# Allegro board Learn.brd (continued)
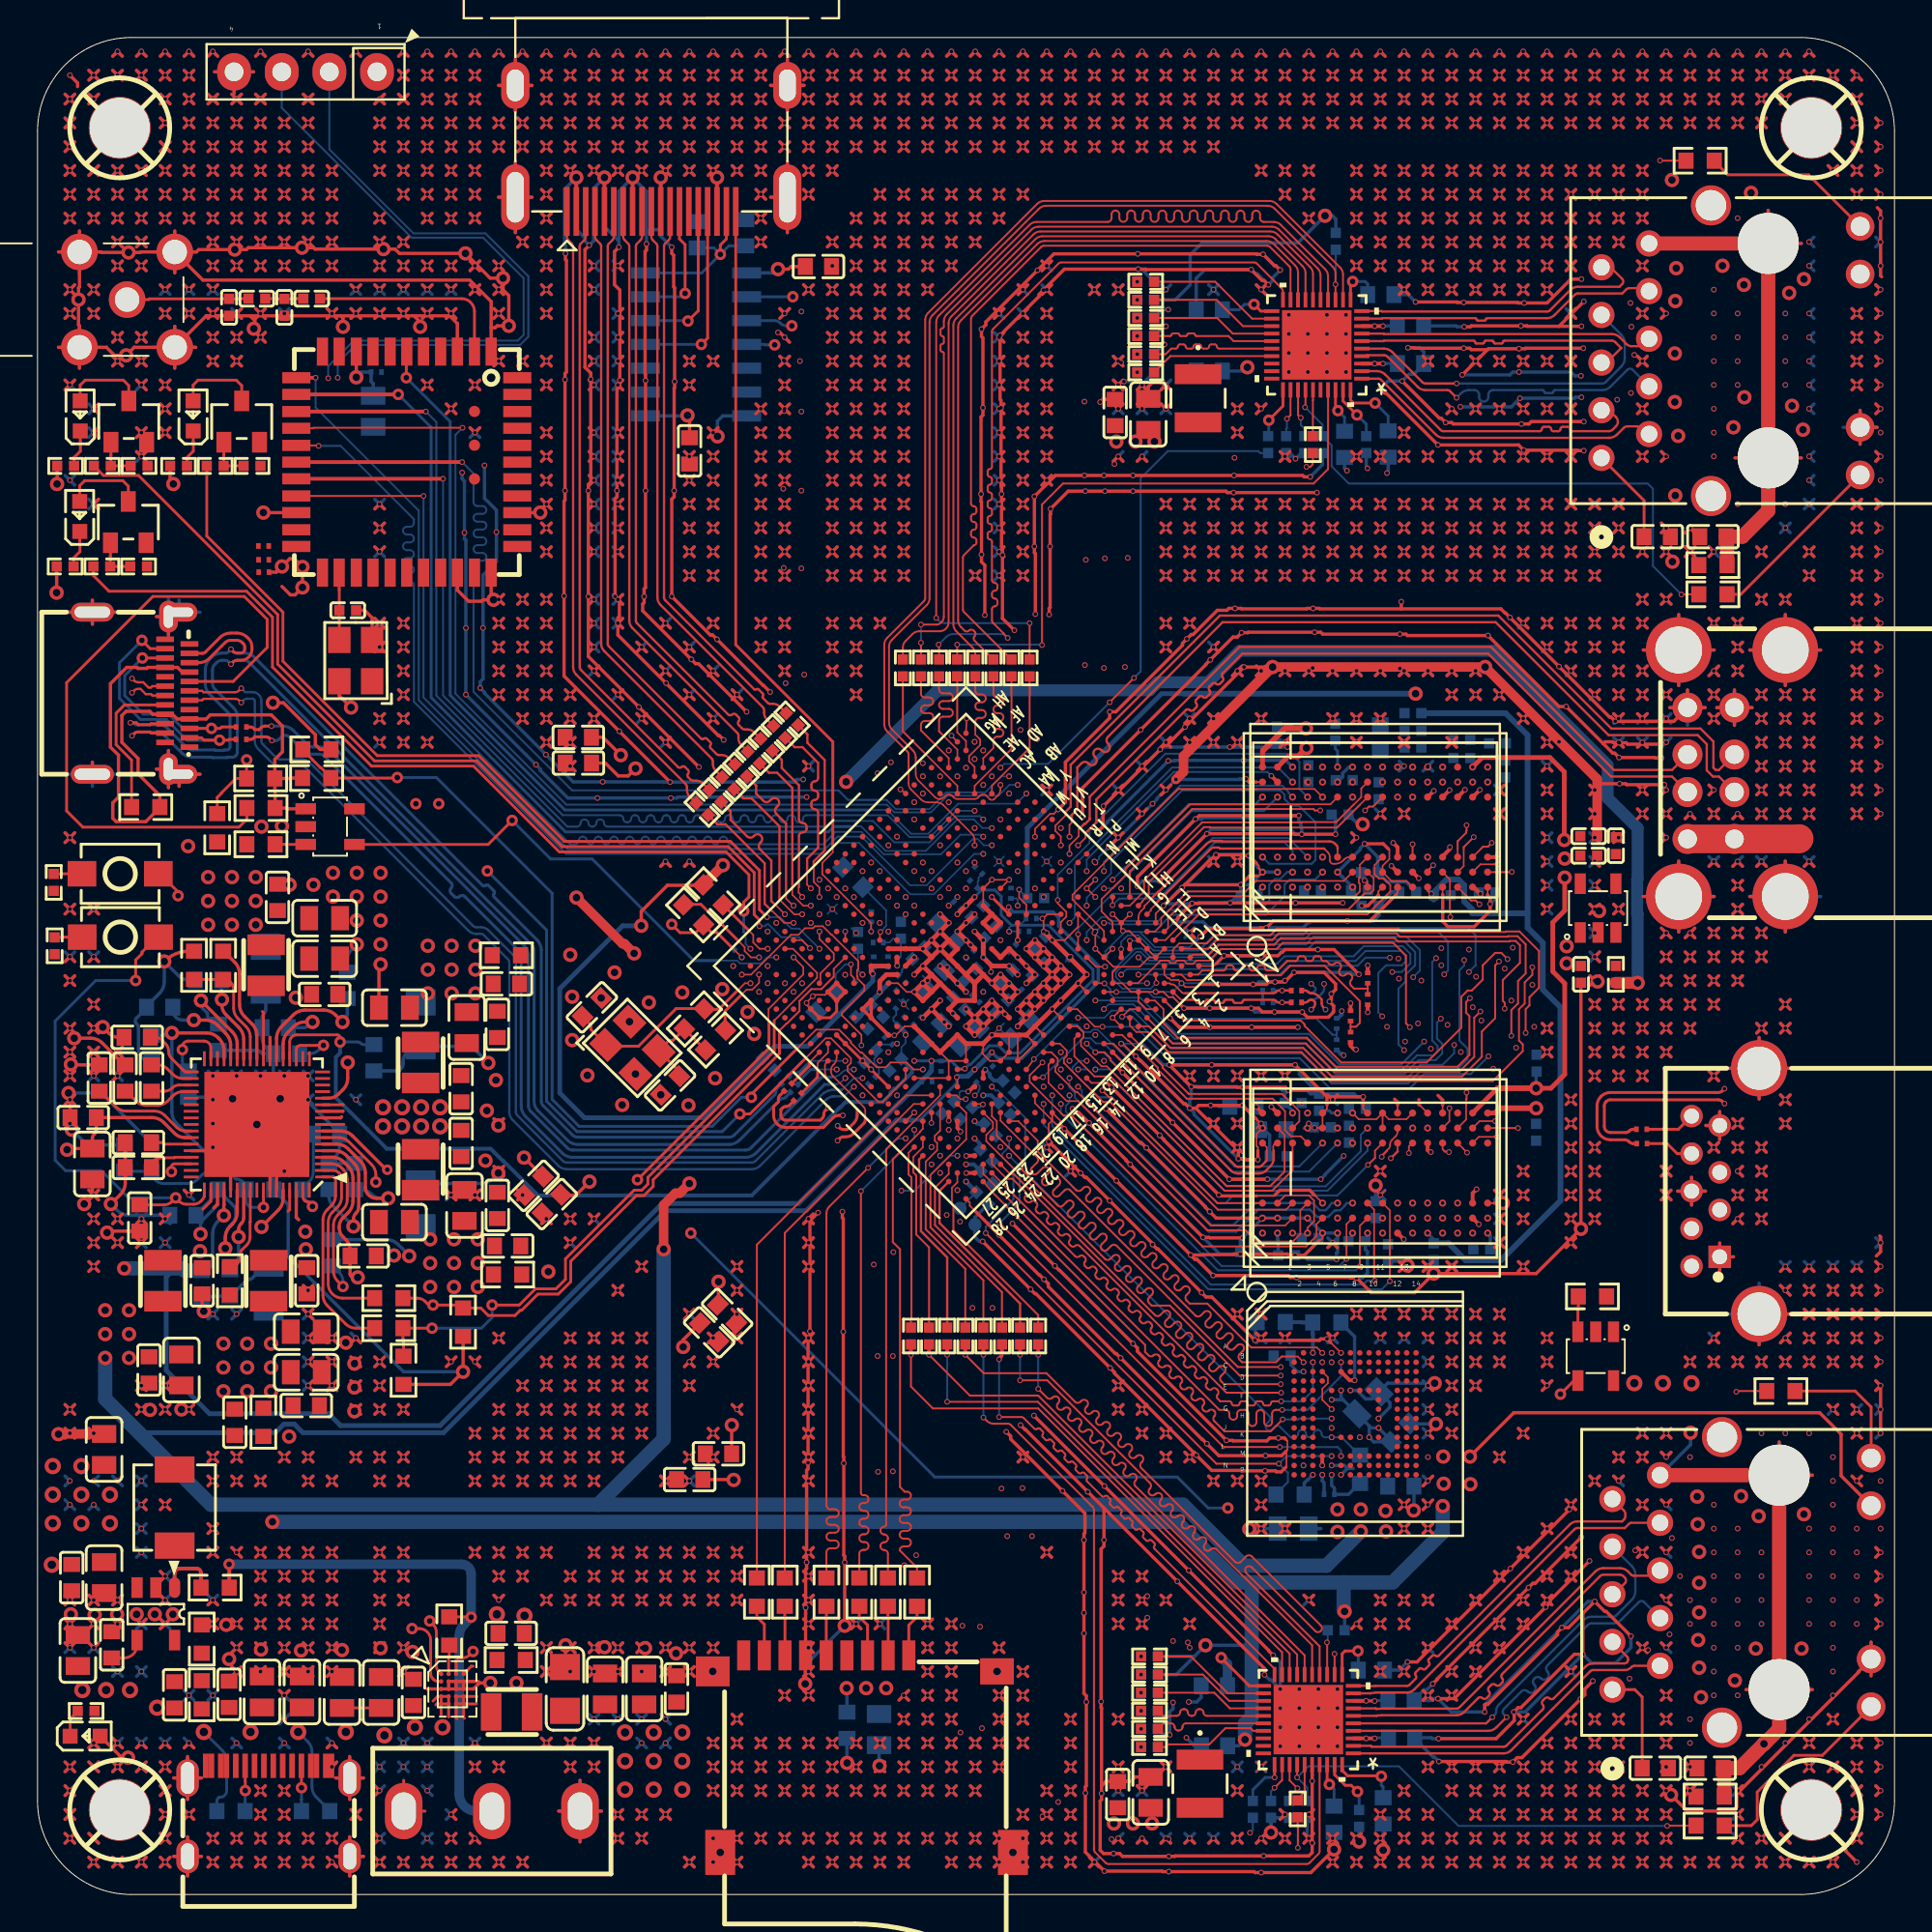
[diagram p0: board, top side]
## Routing (per net, layer and track width the routed paths; a pad name or vN(x,y) marks a point on that pad's centre or on a via; arc(x,y) is an arc through that point) (continued)
96.72,90.37 ; v1(96.97,90.62) 96.72,90.88 ; 19.25,87.83 v1(19.5,88.08) ; v1(19.5,88.08) 19.76,87.83 ; v1(19.5,88.08) 19.25,88.34 ; v1(19.5,88.08) 19.76,88.34 ; 71.32,76.4 v1(71.57,76.65) ; v1(71.57,76.65) 71.83,76.91 ; v1(71.57,76.65) 71.83,76.4 ; v1(71.57,76.65) 71.32,76.91 ; v1(18.23,94.43) 18.49,94.69 ; v1(18.23,94.43) 17.98,94.18 ; v1(18.23,94.43) 18.49,94.18 ; v1(18.23,94.43) 17.98,94.69 ; 34.49,13.41 v1(34.74,13.15) ; v1(34.74,13.15) 35,12.9 ; v1(34.74,13.15) 34.49,12.9 ; v1(34.74,13.15) 35,13.41 ; v1(43.63,94.43) 43.89,94.18 ; v1(43.63,94.43) 43.38,94.69 ; v1(43.63,94.43) 43.38,94.18 ; v1(43.63,94.43) 43.89,94.69 ; v1(67.76,95.7) 68.02,95.45 ; v1(67.76,95.7) 68.02,95.96 ; v1(67.76,95.7) 67.51,95.45 ; v1(67.76,95.7) 67.51,95.96 ; 69.29,42.62 v1(69.03,42.36) 68.78,42.62 ; 19.25,21.79 v1(19.5,22.04) ; v1(19.5,22.04) 19.76,21.79 ; v1(19.5,22.04) 19.76,22.3 ; v1(19.5,22.04) 19.25,22.3 ; v1(2.99,90.62) 3.25,90.88 ; v1(2.99,90.62) 2.74,90.88 ; v1(2.99,90.62) 3.25,90.37 ; v1(2.99,90.62) 2.74,90.37 ; 58.62,57.35 v1(58.87,57.6) ; v1(58.87,57.6) 58.62,57.86 ; v1(58.87,57.6) 59.13,57.86 ; 97.99,66.24 v1(98.24,66.49) 97.99,66.75 ; v1(42.9,36.4) 42.9,36.07 42.95,36.02 v1(42.95,30) 42.95,23.34 42.98,23.32 v1(42.98,22.99) 42.98,18.08 43.03,18.03 v1(43.03,17.7) v3(43.03,14.33) ; 82.75,88.34 v1(83,88.08) ; v1(83,88.08) 83.26,88.34 ; v1(83,88.08) 83.26,87.83 ; v1(83,88.08) 82.75,87.83 ; 54.81,8.33 v1(55.06,8.07) ; v1(55.06,8.07) 54.81,7.82 ; v1(55.06,8.07) 55.32,7.82 ; v1(55.06,8.07) 55.32,8.33 ; 37.03,97.99 v1(37.28,98.24) 37.54,97.99 ; 30.68,2.74 v1(30.93,2.99) ; v1(30.93,2.99) 31.19,2.74 ; v1(30.93,2.99) 30.68,3.25 ; v1(30.93,2.99) 31.19,3.25 ; 9.09,14.68 v1(9.34,14.42) ; v1(9.34,14.42) 9.6,14.17 ; v1(9.34,14.42) 9.09,14.17 ; v1(9.34,14.42) 9.6,14.68 ; 97.99,16.71 v1(98.24,16.96) 97.99,17.22 ; v1(32.2,28.39) 32.46,28.14 ; v1(32.2,28.39) 31.95,28.65 ; v1(32.2,28.39) 31.95,28.14 ; v1(32.2,28.39) 32.46,28.65 ; 19.25,90.88 v1(19.5,90.62) ; v1(19.5,90.62) 19.76,90.37 ; v1(19.5,90.62) 19.25,90.37 ; v1(19.5,90.62) 19.76,90.88 ; 1.47,14.17 v1(1.72,14.42) ; v1(1.72,14.42) 1.47,14.68 ; v1(1.72,14.42) 1.98,14.17 ; v1(1.72,14.42) 1.98,14.68 ; v1(85.54,5.53) 85.8,5.28 ; v1(85.54,5.53) 85.8,5.79 ; v1(85.54,5.53) 85.29,5.28 ; v1(85.54,5.53) 85.29,5.79 ; v1(5.53,90.62) 5.79,90.88 ; v1(5.53,90.62) 5.28,90.88 ; v1(5.53,90.62) 5.28,90.37 ; v1(5.53,90.62) 5.79,90.37 ; 97.99,94.18 v1(98.24,94.43) 97.99,94.69 ; v1(27.12,23.31) 27.38,23.57 ; v1(27.12,23.31) 26.87,23.06 ; v1(27.12,23.31) 27.38,23.06 ; v1(27.12,23.31) 26.87,23.57 ; 84.02,4.01 v1(84.27,4.26) ; v1(84.27,4.26) 84.53,4.52 ; v1(84.27,4.26) 84.02,4.52 ; v1(84.27,4.26) 84.53,4.01 ; 40.84,14.17 v1(41.09,14.42) ; v1(41.09,14.42) 41.35,14.17 ; v1(41.09,14.42) 40.84,14.68 ; v1(41.09,14.42) 41.35,14.68 ; v1(96.97,81.73) 97.23,81.48 ; v1(96.97,81.73) 97.23,81.99 ; v1(96.97,81.73) 96.72,81.99 ; v1(96.97,81.73) 96.72,81.48 ; U3.B4 23.48,11.36 23.56,11.28 ; 84.02,89.1 v1(84.27,89.35) ; v1(84.27,89.35) 84.53,89.1 ; v1(84.27,89.35) 84.53,89.61 ; v1(84.27,89.35) 84.02,89.61 ; 44.65,1.47 v1(44.9,1.72) ; v1(44.9,1.72) 44.65,1.98 ; v1(44.9,1.72) 45.16,1.47 ; v1(44.9,1.72) 45.16,1.98 ; 71.32,87.83 v1(71.57,88.08) ; v1(71.57,88.08) 71.83,88.34 ; v1(71.57,88.08) 71.83,87.83 ; v1(71.57,88.08) 71.32,88.34 ; 57.35,16.71 v1(57.6,16.96) ; v1(57.6,16.96) 57.35,17.22 ; v1(57.6,16.96) 57.86,17.22 ; v1(57.6,16.96) 57.86,16.71 ; 34.49,16.71 v1(34.74,16.96) ; v1(34.74,16.96) 35,17.22 ; v1(34.74,16.96) 35,16.71 ; v1(34.74,16.96) 34.49,17.22 ; v1(80.46,89.35) 80.72,89.1 ; v1(80.46,89.35) 80.21,89.61 ; v1(80.46,89.35) 80.21,89.1 ; v1(80.46,89.35) 80.72,89.61 ; v1(27.12,28.39) 27.38,28.14 ; v1(27.12,28.39) 27.38,28.65 ; v1(27.12,28.39) 26.87,28.14 ; v1(27.12,28.39) 26.87,28.65 ; v1(76.65,28.39) 76.91,28.65 ; v1(76.65,28.39) 76.91,28.14 ; v1(76.65,28.39) 76.4,28.14 ; v1(76.65,28.39) 76.4,28.65 ; 96.72,71.32 v1(96.97,71.57) ; v1(96.97,71.57) 97.23,71.32 ; v1(96.97,71.57) 97.23,71.83 ; v1(96.97,71.57) 96.72,71.83 ; 72.59,85.8 v1(72.84,85.54) ; v1(72.84,85.54) 73.1,85.8 ; v1(72.84,85.54) 72.59,85.29 ; v1(72.84,85.54) 73.1,85.29 ; 72.59,95.45 v1(72.84,95.7) ; v1(72.84,95.7) 72.59,95.96 ; v1(72.84,95.7) 73.1,95.96 ; v1(72.84,95.7) 73.1,95.45 ; 70.05,95.96 v1(70.3,95.7) ; v1(70.3,95.7) 70.56,95.45 ; v1(70.3,95.7) 70.05,95.45 ; v1(70.3,95.7) 70.56,95.96 ; 87.83,94.18 v1(88.08,94.43) ; v1(88.08,94.43) 88.34,94.18 ; v1(88.08,94.43) 87.83,94.69 ; v1(88.08,94.43) 88.34,94.69 ; 14.17,15.95 v1(14.42,15.69) ; v1(14.42,15.69) 14.68,15.95 ; v1(14.42,15.69) 14.17,15.44 ; v1(14.42,15.69) 14.68,15.44 ; v1(30.93,27.12) 31.19,26.87 ; v1(30.93,27.12) 30.68,27.38 ; v1(30.93,27.12) 31.19,27.38 ; v1(30.93,27.12) 30.68,26.87 ; 86.56,18.49 v1(86.81,18.23) 87.07,18.49 ; v1(11.88,94.43) 12.14,94.69 ; v1(11.88,94.43) 11.63,94.69 ; v1(11.88,94.43) 11.63,94.18 ; v1(11.88,94.43) 12.14,94.18 ; 25.6,26.87 v1(25.85,27.12) ; v1(25.85,27.12) 26.11,26.87 ; v1(25.85,27.12) 25.6,27.38 ; v1(25.85,27.12) 26.11,27.38 ; 31.19,69.29 v1(30.93,69.03) 31.19,68.78 ; v1(49.98,5.53) 50.24,5.28 ; v1(49.98,5.53) 49.73,5.79 ; v1(49.98,5.53) 49.73,5.28 ; v1(49.98,5.53) 50.24,5.79 ; 94.18,62.43 v1(94.43,62.68) ; v1(94.43,62.68) 94.18,62.94 ; v1(94.43,62.68) 94.69,62.43 ; v1(94.43,62.68) 94.69,62.94 ; v1(14.42,22.04) 14.68,21.79 ; v1(14.42,22.04) 14.17,21.79 ; v1(14.42,22.04) 14.68,22.3 ; v1(14.42,22.04) 14.17,22.3 ; 1.47,46.43 v1(1.72,46.17) ; v1(1.72,46.17) 1.98,45.92 ; v1(1.72,46.17) 1.47,45.92 ; v1(1.72,46.17) 1.98,46.43 ; 62.43,2.74 v1(62.68,2.99) 62.94,2.74 ; 5.28,86.56 v1(5.53,86.81) ; v1(5.53,86.81) 5.79,86.56 ; v1(5.53,86.81) 5.28,87.07 ; v1(5.53,86.81) 5.79,87.07 ; 75.13,97.99 v1(75.38,98.24) 75.64,97.99 ; v1(76.65,72.84) 76.91,73.1 ; v1(76.65,72.84) 76.91,72.59 ; v1(76.65,72.84) 76.4,73.1 ; v1(76.65,72.84) 76.4,72.59 ; 80.21,55.32 v1(80.46,55.06) 80.21,54.81 ; 53.54,94.18 v1(53.79,94.43) ; v1(53.79,94.43) 54.05,94.69 ; v1(53.79,94.43) 54.05,94.18 ; v1(53.79,94.43) 53.54,94.69 ; v1(94.43,30.93) 94.69,30.68 ; v1(94.43,30.93) 94.18,30.68 ; v1(94.43,30.93) 94.69,31.19 ; v1(94.43,30.93) 94.18,31.19 ; 96.39,2.39 96.39,2.31 v1(96.97,1.72) ; 72.59,19.25 v1(72.84,19.5) ; v1(72.84,19.5) 72.59,19.76 ; v1(72.84,19.5) 73.1,19.76 ; v1(72.84,19.5) 73.1,19.25 ; v1(84.27,9.34) 84.53,9.09 ; v1(84.27,9.34) 84.02,9.09 ; v1(84.27,9.34) 84.53,9.6 ; v1(84.27,9.34) 84.02,9.6 ; v1(6.8,77.92) 7.06,77.67 ; v1(6.8,77.92) 7.06,78.18 ; v1(6.8,77.92) 6.55,77.67 ; v1(6.8,77.92) 6.55,78.18 ; 83.46,61.34 83.97,60.84 84.07,60.84 v1(84.3,60.6) 86.21,60.6 86.24,60.58 v1(86.56,60.58) ; 83.46,61.34 83.57,61.44 83.95,61.44 84,61.39 v1(84.33,61.39) 84.68,61.39 84.76,61.32 v1(86.54,61.32) ; 75.13,87.07 v1(75.38,86.81) ; v1(75.38,86.81) 75.64,86.56 ; v1(75.38,86.81) 75.64,87.07 ; v1(75.38,86.81) 75.13,86.56 ; 80.21,59.89 v1(80.46,60.14) 80.72,59.89 ; v1(42.36,93.16) 42.62,93.42 ; v1(42.36,93.16) 42.62,92.91 ; v1(42.36,93.16) 42.11,92.91 ; v1(42.36,93.16) 42.11,93.42 ; v1(60.14,58.87) 60.4,59.13 ; v1(60.14,58.87) 59.89,58.62 ; v1(60.14,58.87) 59.89,59.13 ; 53.54,78.18 v1(53.79,77.92) ; v1(53.79,77.92) 54.05,77.67 ; v1(53.79,77.92) 53.54,77.67 ; v1(53.79,77.92) 54.05,78.18 ; v1(28.39,94.43) 28.65,94.18 ; v1(28.39,94.43) 28.65,94.69 ; v1(28.39,94.43) 28.14,94.69 ; v1(28.39,94.43) 28.14,94.18 ; v1(70.3,72.84) 70.56,72.59 ; v1(70.3,72.84) 70.56,73.1 ; v1(70.3,72.84) 70.05,73.1 ; v1(70.3,72.84) 70.05,72.59 ; 31.19,71.32 v1(30.93,71.57) 31.19,71.83 ; 51,6.55 v1(51.25,6.8) ; v1(51.25,6.8) 51.51,7.06 ; v1(51.25,6.8) 51.51,6.55 ; v1(51.25,6.8) 51,7.06 ; v1(48.71,95.7) 48.97,95.45 ; v1(48.71,95.7) 48.46,95.45 ; v1(48.71,95.7) 48.46,95.96 ; v1(48.71,95.7) 48.97,95.96 ; 12.9,18.49 v1(13.15,18.23) ; v1(13.15,18.23) 13.41,17.98 ; v1(13.15,18.23) 12.9,17.98 ; v1(13.15,18.23) 13.41,18.49 ; v1(79.19,67.76) 79.45,67.51 ; v1(79.19,67.76) 78.94,68.02 ; v1(79.19,67.76) 79.45,68.02 ; v1(74.11,30.93) 74.37,30.68 ; v1(74.11,30.93) 73.86,31.19 ; v1(74.11,30.93) 74.37,31.19 ; v1(74.11,30.93) 73.86,30.68 ; v1(48.71,89.35) 48.97,89.1 ; v1(48.71,89.35) 48.97,89.61 ; v1(48.71,89.35) 48.46,89.61 ; v1(48.71,89.35) 48.46,89.1 ; 97.99,71.83 v1(98.24,71.57) 97.99,71.32 ; 80.21,57.86 v1(80.46,57.6) ; v1(80.46,57.6) 80.72,57.86 ; v1(80.46,57.6) 80.21,57.35 ; v1(80.46,57.6) 80.72,57.35 ; v1(24.58,25.85) 24.84,25.6 ; v1(24.58,25.85) 24.33,26.11 ; v1(24.58,25.85) 24.33,25.6 ; v1(24.58,25.85) 24.84,26.11 ; 97.99,59.89 v1(98.24,60.14) 97.99,60.4 ; 7.82,95.45 v1(8.07,95.7) ; v1(8.07,95.7) 8.33,95.45 ; v1(8.07,95.7) 8.33,95.96 ; v1(8.07,95.7) 7.82,95.96 ; 73.86,20.52 v1(74.11,20.77) ; v1(74.11,20.77) 74.37,21.03 ; v1(74.11,20.77) 73.86,21.03 ; 6.55,4.52 v1(6.8,4.26) ; v1(6.8,4.26) 7.06,4.52 ; v1(6.8,4.26) 6.55,4.01 ; v1(6.8,4.26) 7.06,4.01 ; 82.75,5.28 v1(83,5.53) ; v1(83,5.53) 83.26,5.28 ; v1(83,5.53) 83.26,5.79 ; v1(83,5.53) 82.75,5.79 ; 94.18,8.33 v1(94.43,8.07) ; v1(94.43,8.07) 94.69,8.33 ; v1(94.43,8.07) 94.69,7.82 ; v1(94.43,8.07) 94.18,7.82 ; v1(1.72,84.27) 1.98,84.53 ; v1(1.72,84.27) 1.47,84.02 ; v1(1.72,84.27) 1.47,84.53 ; v1(1.72,84.27) 1.98,84.02 ; v1(96.97,32.2) 97.23,32.46 ; v1(96.97,32.2) 97.23,31.95 ; v1(96.97,32.2) 96.72,31.95 ; v1(96.97,32.2) 96.72,32.46 ; 86.56,1.47 v1(86.81,1.72) ; v1(86.81,1.72) 86.56,1.98 ; v1(86.81,1.72) 87.07,1.47 ; v1(86.81,1.72) 87.07,1.98 ; 77.3,53.29 77.3,53.26 77.43,53.12 v1(77.43,52.79) 77.43,52.44 76.58,51.59 75.18,51.59 74.9,51.87 74.9,53.28 74.9,53.29 ; 97.99,93.42 v1(98.24,93.16) 97.99,92.91 ; v1(70.3,90.62) 70.56,90.37 ; v1(70.3,90.62) 70.56,90.88 ; v1(70.3,90.62) 70.05,90.88 ; v1(70.3,90.62) 70.05,90.37 ; v1(28.39,96.97) 28.65,96.72 ; v1(28.39,96.97) 28.14,97.23 ; v1(28.39,96.97) 28.14,96.72 ; v1(28.39,96.97) 28.65,97.23 ; v1(91.89,96.97) 92.15,97.23 ; v1(91.89,96.97) 91.64,96.72 ; v1(91.89,96.97) 92.15,96.72 ; v1(91.89,96.97) 91.64,97.23 ; v1(83,63.95) 83.26,64.21 ; v1(83,63.95) 83.26,63.7 ; v1(83,63.95) 82.75,64.21 ; 97.99,61.16 v1(98.24,61.41) 97.99,61.67 ; 87.43,37.49 U21.7 ; U21.7 88.17,36.75 ; U21.7 88.91,37.49 ; U21.7 88.17,38.23 ; 78.94,2.74 v1(79.19,2.99) ; v1(79.19,2.99) 78.94,3.25 ; v1(79.19,2.99) 79.45,3.25 ; v1(79.19,2.99) 79.45,2.74 ; v1(11.88,89.35) 12.14,89.1 ; v1(11.88,89.35) 11.63,89.1 ; v1(11.88,89.35) 12.14,89.61 ; v1(11.88,89.35) 11.63,89.61 ; 25.6,66.75 v1(25.85,66.49) ; v1(25.85,66.49) 25.6,66.24 ; v1(25.85,66.49) 26.11,66.24 ; v1(25.85,66.49) 26.11,66.75 ; 7.82,89.61 v1(8.07,89.35) ; v1(8.07,89.35) 8.33,89.61 ; v1(8.07,89.35) 7.82,89.1 ; v1(8.07,89.35) 8.33,89.1 ; 10.36,3.25 v1(10.61,2.99) ; v1(10.61,2.99) 10.87,2.74 ; v1(10.61,2.99) 10.87,3.25 ; v1(10.61,2.99) 10.36,2.74 ; 54.81,38.81 v1(55.06,38.55) ; v1(55.06,38.55) 55.32,38.3 ; v1(55.06,38.55) 55.32,38.81 ; 75.13,70.56 v1(75.38,70.3) ; v1(75.38,70.3) 75.13,70.05 ; v1(75.38,70.3) 75.64,70.05 ; v1(75.38,70.3) 75.64,70.56 ; v1(27.12,93.16) 27.38,92.91 ; v1(27.12,93.16) 26.87,92.91 ; v1(27.12,93.16) 26.87,93.42 ; v1(27.12,93.16) 27.38,93.42 ; 91.64,95.96 v1(91.89,95.7) ; v1(91.89,95.7) 91.64,95.45 ; v1(91.89,95.7) 92.15,95.96 ; v1(91.89,95.7) 92.15,95.45 ; 11.63,5.28 v1(11.88,5.53) ; v1(11.88,5.53) 12.14,5.28 ; v1(11.88,5.53) 11.63,5.79 ; v1(11.88,5.53) 12.14,5.79 ; 86.56,8.33 v1(86.81,8.07) ; v1(86.81,8.07) 86.56,7.82 ; v1(86.81,8.07) 87.07,8.33 ; v1(86.81,8.07) 87.07,7.82 ; 19.25,15.44 v1(19.5,15.69) ; v1(19.5,15.69) 19.76,15.44 ; v1(19.5,15.69) 19.25,15.95 ; v1(19.5,15.69) 19.76,15.95 ; 21.79,28.65 v1(22.04,28.39) ; v1(22.04,28.39) 21.79,28.14 ; v1(22.04,28.39) 22.3,28.65 ; 56.08,85.8 v1(56.33,85.54) ; v1(56.33,85.54) 56.59,85.29 ; v1(56.33,85.54) 56.59,85.8 ; v1(56.33,85.54) 56.08,85.29 ; 94.18,97.99 v1(94.43,98.24) 94.69,97.99 ; 10.36,11.63 v1(10.61,11.88) ; v1(10.61,11.88) 10.87,12.14 ; v1(10.61,11.88) 10.87,11.63 ; v1(10.61,11.88) 10.36,12.14 ; v1(4.26,44.9) 4.52,44.65 ; v1(4.26,44.9) 4.01,45.16 ; v1(4.26,44.9) 4.52,45.16 ; v1(4.26,44.9) 4.01,44.65 ; 31.19,82.75 v1(30.93,83) 31.19,83.26 ; 76.4,74.37 v1(76.65,74.11) ; v1(76.65,74.11) 76.91,73.86 ; v1(76.65,74.11) 76.4,73.86 ; v1(76.65,74.11) 76.91,74.37 ; v1(70.3,94.43) 70.56,94.18 ; v1(70.3,94.43) 70.05,94.18 ; v1(70.3,94.43) 70.05,94.69 ; v1(70.3,94.43) 70.56,94.69 ; 78.18,35.76 v1(77.92,36.01) 78.18,36.27 ; v1(81.73,76.65) 81.99,76.4 ; v1(81.73,76.65) 81.48,76.4 ; v1(81.73,76.65) 81.48,76.91 ; v1(81.73,76.65) 81.99,76.91 ; v1(79.19,94.43) 79.45,94.69 ; v1(79.19,94.43) 78.94,94.18 ; v1(79.19,94.43) 79.45,94.18 ; v1(79.19,94.43) 78.94,94.69 ; v1(96.97,94.43) 97.23,94.18 ; v1(96.97,94.43) 96.72,94.18 ; v1(96.97,94.43) 96.72,94.69 ; v1(96.97,94.43) 97.23,94.69 ; 82.75,68.02 v1(83,67.76) ; v1(83,67.76) 83.26,67.51 ; v1(83,67.76) 83.26,68.02 ; v1(83,67.76) 82.75,67.51 ; 60.4,79.45 v1(60.14,79.19) 59.89,79.45 ; 73.86,15.95 v1(74.11,15.69) ; v1(74.11,15.69) 74.37,15.95 ; v1(74.11,15.69) 74.37,15.44 ; v1(74.11,15.69) 73.86,15.44 ; v1(71.57,62.68) 71.83,62.94 ; v1(71.57,62.68) 71.32,62.43 ; v1(71.57,62.68) 71.32,62.94 ; v1(71.57,62.68) 71.83,62.43 ; v1(81.73,70.3) 81.99,70.56 ; v1(81.73,70.3) 81.99,70.05 ; v1(81.73,70.3) 81.48,70.56 ; v1(81.73,70.3) 81.48,70.05 ; 61.75,41.91 64.01,39.65 v1(64.01,39.22) 64.34,39.22 64.39,39.17 v1(65.05,39.17) 65.05,39.65 ; 61.75,41.91 61.9,42.06 v1(62.53,42.06) v1(64.24,42.06) 64.97,41.33 ; 96.72,5.79 v1(96.97,5.53) ; v1(96.97,5.53) 97.23,5.28 ; v1(96.97,5.53) 96.72,5.28 ; v1(96.97,5.53) 97.23,5.79 ; 34.49,21.79 v1(34.74,22.04) 34.49,22.3 ; 64.97,85.8 v1(65.22,85.54) ; v1(65.22,85.54) 65.48,85.8 ; v1(65.22,85.54) 65.48,85.29 ; 51.51,78.94 v1(51.25,79.19) 51.51,79.45 ; 78.94,70.05 v1(79.19,70.3) ; v1(79.19,70.3) 78.94,70.56 ; v1(79.19,70.3) 79.45,70.05 ; v1(79.19,70.3) 79.45,70.56 ; 97.99,28.14 v1(98.24,28.39) 97.99,28.65 ; v1(22.04,86.81) 22.3,86.56 ; v1(22.04,86.81) 22.3,87.07 ; v1(22.04,86.81) 21.79,86.56 ; v1(22.04,86.81) 21.79,87.07 ; v1(79.19,62.68) 79.45,62.94 ; v1(79.19,62.68) 79.45,62.43 ; v1(79.19,62.68) 78.94,62.94 ; v1(79.19,62.68) 78.94,62.43 ; 57.86,76.4 v1(57.6,76.65) 57.35,76.4 ; 28.14,97.99 v1(28.39,98.24) 28.65,97.99 ; 70.05,1.47 v1(70.3,1.72) ; v1(70.3,1.72) 70.05,1.98 ; v1(70.3,1.72) 70.56,1.98 ; v1(70.3,1.72) 70.56,1.47 ; v1(1.72,85.54) 1.98,85.8 ; v1(1.72,85.54) 1.47,85.8 ; v1(1.72,85.54) 1.47,85.29 ; v1(1.72,85.54) 1.98,85.29 ; 57.86,2.74 v1(57.6,2.99) 57.35,2.74 ; v1(66.49,61.41) 66.75,61.16 ; v1(66.49,61.41) 66.24,61.16 ; v1(66.49,61.41) 66.75,61.67 ; v1(71.57,4.26) 71.83,4.01 ; v1(71.57,4.26) 71.32,4.01 ; v1(71.57,4.26) 71.83,4.52 ; v1(71.57,4.26) 71.32,4.52 ; 75.13,5.79 v1(75.38,5.53) ; v1(75.38,5.53) 75.64,5.79 ; v1(75.38,5.53) 75.13,5.28 ; v1(75.38,5.53) 75.64,5.28 ; v1(76.65,65.22) 76.91,65.48 ; v1(76.65,65.22) 76.4,64.97 ; v1(76.65,65.22) 76.91,64.97 ; v1(76.65,65.22) 76.4,65.48 ; 97.99,31.95 v1(98.24,32.2) 97.99,32.46 ; 96.72,80.72 v1(96.97,80.46) ; v1(96.97,80.46) 96.72,80.21 ; v1(96.97,80.46) 97.23,80.21 ; v1(96.97,80.46) 97.23,80.72 ; v1(43.63,8.07) 43.89,8.33 ; v1(43.63,8.07) 43.89,7.82 ; v1(43.63,8.07) 43.38,7.82 ; v1(43.63,8.07) 43.38,8.33 ; v1(74.37,11.23) 74.6,11.46 74.6,11.48 v1(79.48,16.36) 79.71,16.59 79.84,16.59 v1(82.3,19.05) ; v1(94.43,70.3) 94.69,70.05 ; v1(94.43,70.3) 94.18,70.05 ; v1(94.43,70.3) 94.69,70.56 ; v1(94.43,70.3) 94.18,70.56 ; v1(75.38,63.95) 75.64,64.21 ; v1(75.38,63.95) 75.13,64.21 ; v1(75.38,63.95) 75.64,63.7 ; v1(75.38,63.95) 75.13,63.7 ; 35.76,75.64 v1(36.01,75.38) ; v1(36.01,75.38) 36.27,75.64 ; v1(36.01,75.38) 35.76,75.13 ; v1(36.01,75.38) 36.27,75.13 ; 19.76,85.8 v1(19.5,85.54) 19.25,85.8 ; 75.13,76.4 v1(75.38,76.65) ; v1(75.38,76.65) 75.13,76.91 ; v1(75.38,76.65) 75.64,76.4 ; v1(75.38,76.65) 75.64,76.91 ; v1(67.76,2.99) 68.02,3.25 ; v1(67.76,2.99) 67.51,3.25 ; v1(67.76,2.99) 68.02,2.74 ; v1(67.76,2.99) 67.51,2.74 ; 87.83,71.32 v1(88.08,71.57) ; v1(88.08,71.57) 88.34,71.32 ; v1(88.08,71.57) 87.83,71.83 ; v1(88.08,71.57) 88.34,71.83 ; 29.41,29.92 v1(29.66,29.66) ; v1(29.66,29.66) 29.41,29.41 ; v1(29.66,29.66) 29.92,29.41 ; v1(29.66,29.66) 29.92,29.92 ; v1(74.11,65.22) 74.37,64.97 ; v1(74.11,65.22) 73.86,64.97 ; v1(74.11,65.22) 74.37,65.48 ; v1(74.11,65.22) 73.86,65.48 ; 17.98,84.53 v1(18.23,84.27) ; v1(18.23,84.27) 18.49,84.53 ; v1(18.23,84.27) 17.98,84.02 ; v1(18.23,84.27) 18.49,84.02 ; v1(72.84,11.88) 73.1,12.14 ; v1(72.84,11.88) 72.59,12.14 ; v1(72.84,11.88) 72.59,11.63 ; v1(72.84,11.88) 73.1,11.63 ; v1(33.47,22.04) 33.73,21.79 ; v1(33.47,22.04) 33.73,22.3 ; v1(33.47,22.04) 33.22,21.79 ; v1(33.47,22.04) 33.22,22.3 ; 83.26,54.81 v1(83,55.06) 83.26,55.32 ; 97.99,76.91 v1(98.24,76.65) 97.99,76.4 ; v1(55.06,96.97) 55.32,96.72 ; v1(55.06,96.97) 54.81,96.72 ; v1(55.06,96.97) 54.81,97.23 ; v1(55.06,96.97) 55.32,97.23 ; v1(29.66,95.7) 29.92,95.45 ; v1(29.66,95.7) 29.41,95.45 ; v1(29.66,95.7) 29.41,95.96 ; v1(29.66,95.7) 29.92,95.96 ; 70.05,87.07 v1(70.3,86.81) ; v1(70.3,86.81) 70.56,87.07 ; v1(70.3,86.81) 70.56,86.56 ; v1(70.3,86.81) 70.05,86.56 ; 30.68,29.92 v1(30.93,29.66) ; v1(30.93,29.66) 31.19,29.41 ; v1(30.93,29.66) 31.19,29.92 ; v1(30.93,29.66) 30.68,29.41 ; 43.38,7.06 v1(43.63,6.8) ; v1(43.63,6.8) 43.38,6.55 ; v1(43.63,6.8) 43.89,6.55 ; v1(43.63,6.8) 43.89,7.06 ; v1(77.92,34.74) 78.18,35 ; v1(77.92,34.74) 78.18,34.49 ; v1(77.92,34.74) 77.67,34.49 ; 65.48,29.92 v1(65.22,29.66) 64.97,29.92 ; 29.41,78.18 v1(29.66,77.92) 29.41,77.67 ; U12.12 97.74,13.45 ; U12.12 97.74,11.65 ; U12.12 97.07,11.89 97.07,11.86 90.58,5.36 90.58,4.67 90.35,4.45 87.93,4.45 v3(87.07,5.31) ; 86.56,46.43 v1(86.81,46.17) ; v1(86.81,46.17) 86.56,45.92 ; v1(86.81,46.17) 87.07,45.92 ; v1(86.81,46.17) 87.07,46.43 ; 82.75,65.48 v1(83,65.22) ; v1(83,65.22) 82.75,64.97 ; v1(83,65.22) 83.26,65.48 ; v1(83,65.22) 83.26,64.97 ; 45.92,7.06 v1(46.17,6.8) ; v1(46.17,6.8) 45.92,6.55 ; v1(46.17,6.8) 46.43,6.55 ; v1(46.17,6.8) 46.43,7.06 ; v1(88.08,5.53) 88.34,5.28 ; v1(88.08,5.53) 87.83,5.79 ; v1(88.08,5.53) 87.83,5.28 ; v1(88.08,5.53) 88.34,5.79 ; C64.2 4.62,44.22 3.45,45.38 arc(3.17,45.58) 2.83,45.64 v3(1.96,45.64) ; v1(41.09,15.69) 41.35,15.95 ; v1(41.09,15.69) 40.84,15.44 ; v1(41.09,15.69) 40.84,15.95 ; v1(41.09,15.69) 41.35,15.44 ; v1(81.73,8.07) 81.99,8.33 ; v1(81.73,8.07) 81.48,7.82 ; v1(81.73,8.07) 81.48,8.33 ; v1(81.73,8.07) 81.99,7.82 ; v1(66.49,76.65) 66.75,76.4 ; v1(66.49,76.65) 66.75,76.91 ; v1(66.49,76.65) 66.24,76.91 ; v1(66.49,76.65) 66.24,76.4 ; v1(75.38,90.62) 75.64,90.88 ; v1(75.38,90.62) 75.13,90.88 ; v1(75.38,90.62) 75.13,90.37 ; v1(75.38,90.62) 75.64,90.37 ; 31.95,26.11 v1(32.2,25.85) ; v1(32.2,25.85) 31.95,25.6 ; v1(32.2,25.85) 32.46,26.11 ; v1(32.2,25.85) 32.46,25.6 ; 38.3,90.88 v1(38.55,90.62) ; v1(38.55,90.62) 38.3,90.37 ; v1(38.55,90.62) 38.81,90.88 ; v1(38.55,90.62) 38.81,90.37 ; v1(77.92,94.43) 78.18,94.18 ; v1(77.92,94.43) 77.67,94.18 ; v1(77.92,94.43) 77.67,94.69 ; v1(77.92,94.43) 78.18,94.69 ; 77.67,23.57 v1(77.92,23.31) ; v1(77.92,23.31) 78.18,23.06 ; v1(77.92,23.31) 77.67,23.06 ; v1(77.92,23.31) 78.18,23.57 ; v1(24.58,29.66) 24.84,29.92 ; v1(24.58,29.66) 24.33,29.92 ; v1(24.58,29.66) 24.33,29.41 ; v1(24.58,29.66) 24.84,29.41 ; 86.56,44.65 v1(86.81,44.9) ; v1(86.81,44.9) 86.56,45.16 ; v1(86.81,44.9) 87.07,45.16 ; v1(86.81,44.9) 87.07,44.65 ; v1(80.46,81.73) 80.72,81.99 ; v1(80.46,81.73) 80.21,81.48 ; v1(80.46,81.73) 80.72,81.48 ; v1(80.46,81.73) 80.21,81.99 ; 66.24,94.18 v1(66.49,94.43) ; v1(66.49,94.43) 66.75,94.69 ; v1(66.49,94.43) 66.75,94.18 ; v1(66.49,94.43) 66.24,94.69 ; v1(80.46,44.9) 80.72,45.16 ; v1(80.46,44.9) 80.21,44.65 ; v1(80.46,44.9) 80.72,44.65 ; v1(80.46,44.9) 80.21,45.16 ; v1(75.38,95.7) 75.64,95.96 ; v1(75.38,95.7) 75.64,95.45 ; v1(75.38,95.7) 75.13,95.96 ; v1(75.38,95.7) 75.13,95.45 ; 35.76,72.59 v1(36.01,72.84) ; v1(36.01,72.84) 36.27,73.1 ; v1(36.01,72.84) 35.76,73.1 ; v1(36.01,72.84) 36.27,72.59 ; 80.21,56.08 v1(80.46,56.33) 80.21,56.59 ; v1(37.28,16.96) 37.54,16.71 ; v1(37.28,16.96) 37.54,17.22 ; v1(37.28,16.96) 37.03,17.22 ; v1(37.28,16.96) 37.03,16.71 ; 16.71,26.11 v1(16.96,25.85) ; v1(16.96,25.85) 16.71,25.6 ; v1(16.96,25.85) 17.22,26.11 ; v1(16.96,25.85) 17.22,25.6 ; 97.99,7.06 v1(98.24,6.8) 97.99,6.55 ; 42.11,5.28 v1(42.36,5.53) ; v1(42.36,5.53) 42.62,5.28 ; v1(42.36,5.53) 42.62,5.79 ; v1(42.36,5.53) 42.11,5.79 ; 23.06,17.98 v1(23.31,18.23) ; v1(23.31,18.23) 